# KiCad board adatv2.kicad_pcb (continued)
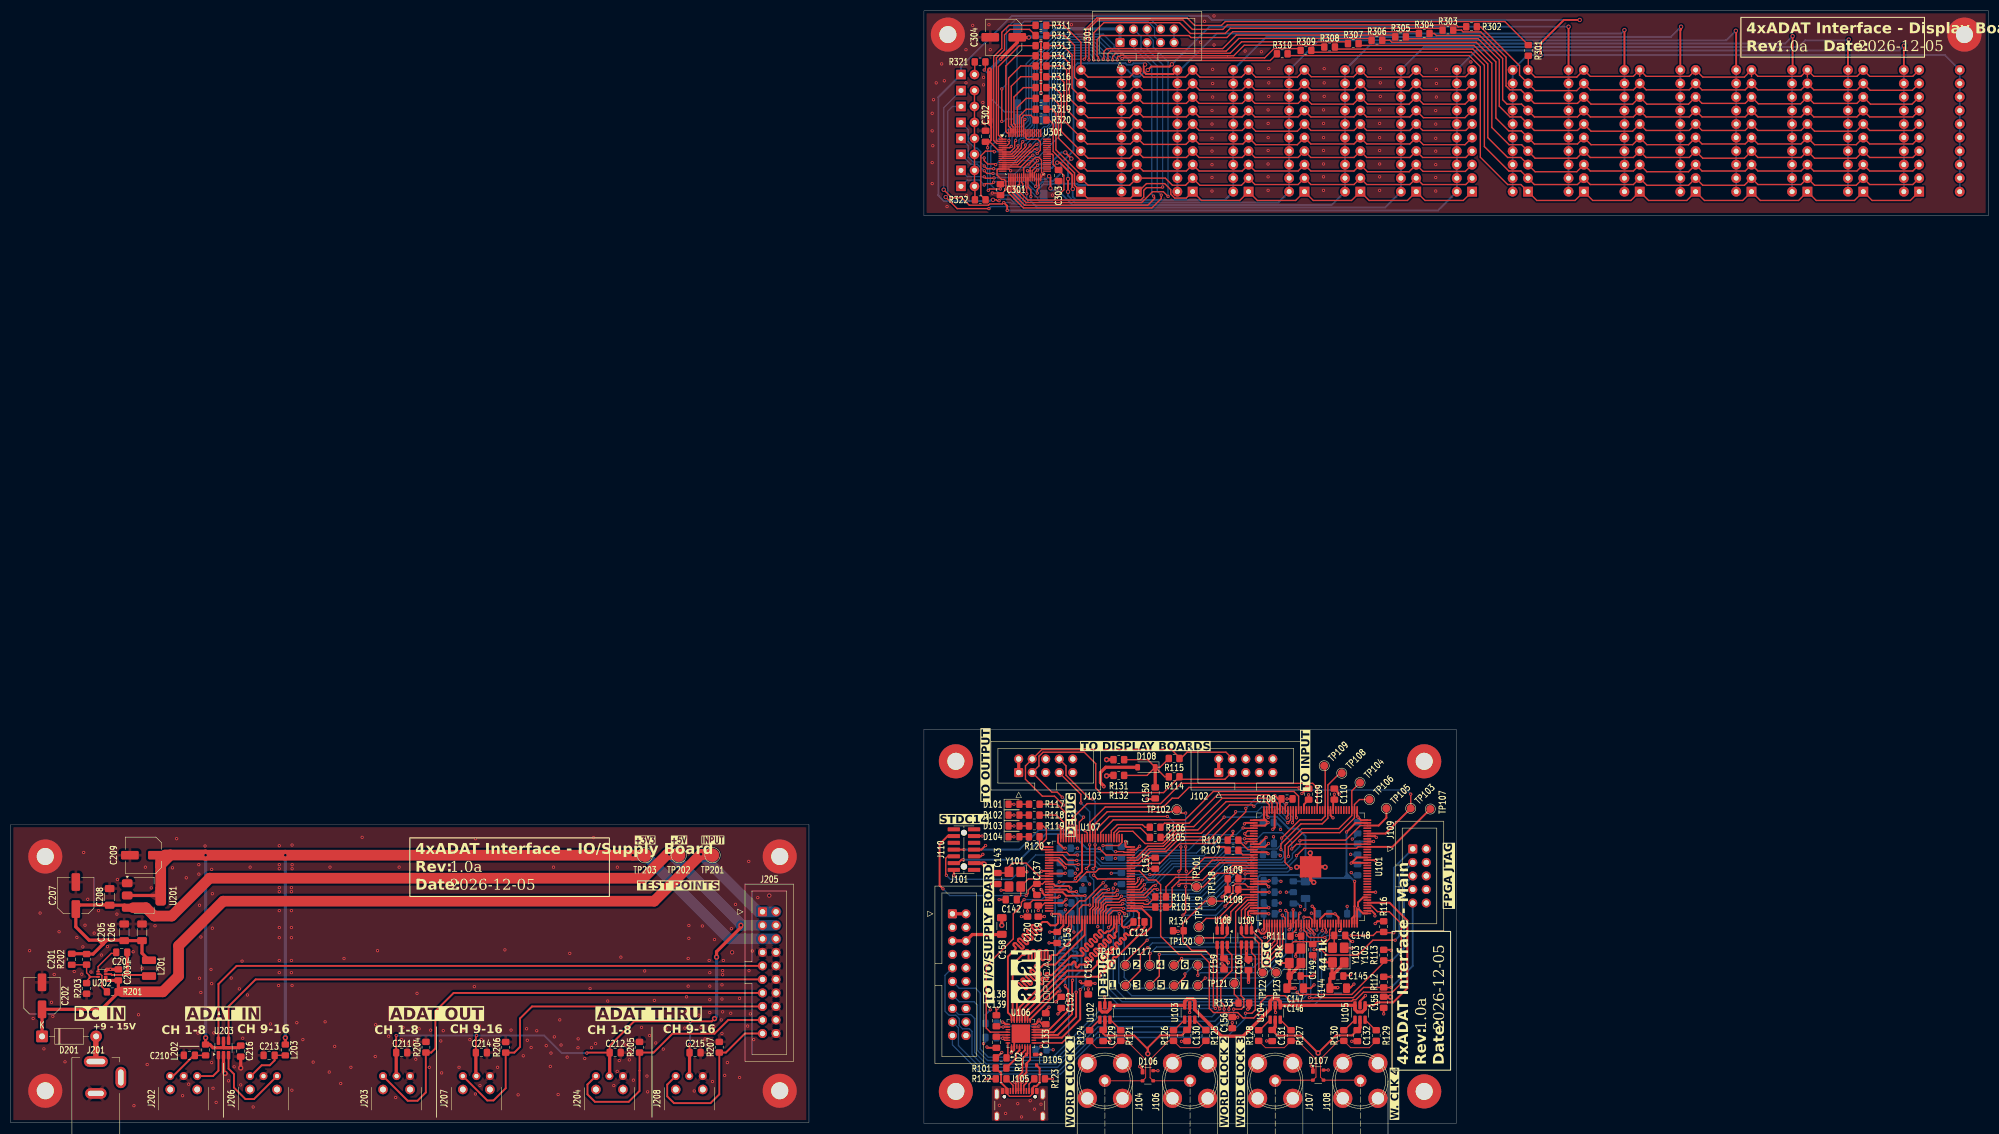
[diagram p0: board, top side]
## Library data of the parts
BAR301-BAR316 = -: Datasheet: https://docs.broadcom.com/docs/AV02-1798EN; Description: BAR GRAPH 10 segment block, Mix of high efficiency red, yellow and green; ki_fp_filters: HDSP?48*
C101-C160 C201 C203-C206 C208 C210-C216 C301-C303 = -: Description: Unpolarized capacitor; ki_fp_filters: C_*
C202 C207 C209 C304 = -: Description: Polarized capacitor; ki_fp_filters: CP_*
D101-D104 D301-D308 = -: Description: Light emitting diode; Sim.Pins: 1=K 2=A; ki_fp_filters: LED* LED_SMD:* LED_THT:*
D105-D107 = -: Datasheet: https://assets.nexperia.com/documents/data-sheet/PRTR5V0U2X.pdf; Description: Ultra low capacitance double rail-to-rail ESD protection diode, SOT-143; ki_fp_filters: SOT?143*
D108 = -: Description: Zener diode; ki_fp_filters: TO-???* *_Diode_* *SingleDiode* D_*
D201 = -: Datasheet: http://www.vishay.com/docs/88525/1n5817.pdf; Description: 40V 1A Schottky Barrier Rectifier Diode, DO-41; ki_fp_filters: D*DO?41*
H101-H104 H201-H204 H301 H302 = -: Description: Mounting Hole with connection; ki_fp_filters: MountingHole*Pad*
J104 J106-J108 = -: Description: coaxial connector (BNC, SMA, SMB, SMC, Cinch/RCA, LEMO, ...); ki_fp_filters: *BNC* *SMA* *SMB* *SMC* *Cinch* *LEMO* *UMRF* *MCX* *U.FL*
J105 = -: Datasheet: https://www.usb.org/sites/default/files/documents/usb_type-c.zip; Description: USB 2.0-only 14P Type-C Receptacle connector; ki_fp_filters: USB*C*Receptacle*
J109 = -: Description: Generic connector, double row, 02x05, odd/even pin numbering scheme (row 1 odd numbers, row 2 even numbers), script generated (kicad-library-utils/schlib/autogen/connector/); ki_fp_filters: Connector*:*_2x??_*
J110 = -: Description: Generic connector, double row, 02x07, odd/even pin numbering scheme (row 1 odd numbers, row 2 even numbers), script generated (kicad-library-utils/schlib/autogen/connector/); ki_fp_filters: Connector*:*_2x??_*
J201 = -: Description: DC Barrel Jack with an internal switch; ki_fp_filters: BarrelJack*
L101 L201-L203 = -: Description: Inductor; ki_fp_filters: Choke_* *Coil* Inductor_* L_*
R101-R134 R201-R207 R301-R322 = -: Description: Resistor; ki_fp_filters: R_*
SW301 SW302 = -: Description: Push button switch, generic, two pins
TP101-TP123 TP201-TP203 = -: Description: test point; ki_fp_filters: Pin* Test*
U101 = -: Datasheet: https://www.intel.com/content/www/us/en/docs/programmable/683794/current/fpga-device-datasheet.html
U102-U105 U108 U109 U203 = -: Datasheet: http://www.ti.com/lit/sg/scyt129e/scyt129e.pdf; Description: Dual Buffer, Schmitt Triggered, Low-Voltage CMOS; ki_fp_filters: SG-* SOT*
U106 = -: Datasheet: http://ww1.microchip.com/downloads/en/DeviceDoc/00001783C.pdf; Description: Hi-Speed USB Host, Device or OTG PHY with ULPI Interface; ki_fp_filters: *QFN*32*1EP*5x5mm*P0.5mm*
U107 = -: Datasheet: https://www.st.com/resource/en/datasheet/stm32f427vg.pdf; Description: STMicroelectronics Arm Cortex-M4 MCU, 1024KB flash, 256KB RAM, 180 MHz, 1.8-3.6V, 82 GPIO, LQFP100; ki_fp_filters: LQFP*14x14mm*P0.5mm*
U201 = -: Datasheet: http://www.advanced-monolithic.com/pdf/ds1117.pdf; Description: 1A Low Dropout regulator, positive, 3.3V fixed output, SOT-223; ki_fp_filters: SOT?223*TabPin2*
U301 = -: Datasheet: https://www.holtek.com/webapi/116711/HT1635C_Dv100.pdf
Y101 = -: Description: Four pin crystal, GND on pins 2 and 4; ki_fp_filters: Crystal*
Y102 Y103 = -: Datasheet: http://www.metatech.com.hk/product/fordahl/pdf/2002%20TCXO%20Page%2043-58.pdf; Description: Temperature compensated Crystal Clock Oscillator; ki_fp_filters: Oscillator*SMD*Fordahl*DFAS15*5.0x3.2mm*

## Footprints (pads in the part's own frame, mm; a bottom-side part is the same pattern mirrored in y, then rotated)
BNC_dosinconn_DOSIN-801-0051
  round 2.3 hole 1.3: 1(0,0)
  round 3.6 hole 2.3: 2(-3.3,3.3) 2(-3.3,-3.3) 2(3.3,3.3) 2(3.3,-3.3)
C_0805_2012Metric_Pad1.18x1.45mm_HandSolder
  rrect 1.175x1.45 smd: 1(-1.038,0) 2(1.038,0)
C_1206_3216Metric_Pad1.33x1.80mm_HandSolder
  rrect 1.325x1.8 smd: 1(-1.562,0) 2(1.562,0)
C_Elec_6.3x5.4
  rrect 3.325x1.6 smd: 1(-2.538,0) 2(2.538,0)
CUI PJ-002A
  rrect 4.5x2 hole 3.5x1: 1(0,-6.5)
  rrect 4x2 hole 3x1: 2(0,-0.5)
  rrect 2x4 hole 1x3: 3(-4.7,-3.5)
D_DO-41_SOD81_P10.16mm_Horizontal
  rrect 2.2x2.2 hole 1.1: 1(0,0)
  round 2.2 hole 1.1: 2(10.16,0)
D_SOD-123
  rrect 0.9x1.2 smd: 1(-1.65,0) 2(1.65,0)
EQFP-144-1EP_20x20mm_P0.5mm_EP4x4mm
  rrect 1.07x1.07 smd: (-1.33,1.33) (-1.33,0) (-1.33,-1.33) (0,1.33) (0,0) (0,-1.33) (1.33,1.33) (1.33,0) (1.33,-1.33)
  rrect 1.475x0.3 smd: 1(-10.662,8.75) 2(-10.662,8.25) 3(-10.662,7.75) 4(-10.662,7.25) 5(-10.662,6.75) 6(-10.662,6.25) 7(-10.662,5.75) 8(-10.662,5.25) 9(-10.662,4.75) 10(-10.662,4.25) 11(-10.662,3.75) 12(-10.662,3.25) 13(-10.662,2.75) 14(-10.662,2.25) 15(-10.662,1.75) 16(-10.662,1.25) 17(-10.662,0.75) 18(-10.662,0.25) 19(-10.662,-0.25) 20(-10.662,-0.75) 21(-10.662,-1.25) 22(-10.662,-1.75) 23(-10.662,-2.25) 24(-10.662,-2.75) 25(-10.662,-3.25) 26(-10.662,-3.75) 27(-10.662,-4.25) 28(-10.662,-4.75) 29(-10.662,-5.25) 30(-10.662,-5.75) 31(-10.662,-6.25) 32(-10.662,-6.75) 33(-10.662,-7.25) 34(-10.662,-7.75) 35(-10.662,-8.25) 36(-10.662,-8.75) 73(10.662,-8.75) 74(10.662,-8.25) 75(10.662,-7.75) 76(10.662,-7.25) 77(10.662,-6.75) 78(10.662,-6.25) 79(10.662,-5.75) 80(10.662,-5.25) 81(10.662,-4.75) 82(10.662,-4.25) 83(10.662,-3.75) 84(10.662,-3.25) 85(10.662,-2.75) 86(10.662,-2.25) 87(10.662,-1.75) 88(10.662,-1.25) 89(10.662,-0.75) 90(10.662,-0.25) 91(10.662,0.25) 92(10.662,0.75) 93(10.662,1.25) 94(10.662,1.75) 95(10.662,2.25) 96(10.662,2.75) 97(10.662,3.25) 98(10.662,3.75) 99(10.662,4.25) 100(10.662,4.75) 101(10.662,5.25) 102(10.662,5.75) 103(10.662,6.25) 104(10.662,6.75) 105(10.662,7.25) 106(10.662,7.75) 107(10.662,8.25) 108(10.662,8.75)
  rrect 0.3x1.475 smd: 37(-8.75,-10.662) 38(-8.25,-10.662) 39(-7.75,-10.662) 40(-7.25,-10.662) 41(-6.75,-10.662) 42(-6.25,-10.662) 43(-5.75,-10.662) 44(-5.25,-10.662) 45(-4.75,-10.662) 46(-4.25,-10.662) 47(-3.75,-10.662) 48(-3.25,-10.662) 49(-2.75,-10.662) 50(-2.25,-10.662) 51(-1.75,-10.662) 52(-1.25,-10.662) 53(-0.75,-10.662) 54(-0.25,-10.662) 55(0.25,-10.662) 56(0.75,-10.662) 57(1.25,-10.662) 58(1.75,-10.662) 59(2.25,-10.662) 60(2.75,-10.662) 61(3.25,-10.662) 62(3.75,-10.662) 63(4.25,-10.662) 64(4.75,-10.662) 65(5.25,-10.662) 66(5.75,-10.662) 67(6.25,-10.662) 68(6.75,-10.662) 69(7.25,-10.662) 70(7.75,-10.662) 71(8.25,-10.662) 72(8.75,-10.662) 109(8.75,10.662) 110(8.25,10.662) 111(7.75,10.662) 112(7.25,10.662) 113(6.75,10.662) 114(6.25,10.662) 115(5.75,10.662) 116(5.25,10.662) 117(4.75,10.662) 118(4.25,10.662) 119(3.75,10.662) 120(3.25,10.662) 121(2.75,10.662) 122(2.25,10.662) 123(1.75,10.662) 124(1.25,10.662) 125(0.75,10.662) 126(0.25,10.662) 127(-0.25,10.662) 128(-0.75,10.662) 129(-1.25,10.662) 130(-1.75,10.662) 131(-2.25,10.662) 132(-2.75,10.662) 133(-3.25,10.662) 134(-3.75,10.662) 135(-4.25,10.662) 136(-4.75,10.662) 137(-5.25,10.662) 138(-5.75,10.662) 139(-6.25,10.662) 140(-6.75,10.662) 141(-7.25,10.662) 142(-7.75,10.662) 143(-8.25,10.662) 144(-8.75,10.662)
  rect 4x4 smd: 145(0,0)
IDC-Header_2x05_P2.54mm_Vertical
  rrect 1.7x1.7 hole 1: 1(0,0)
  round 1.7 hole 1: 2(2.54,0) 3(0,-2.54) 4(2.54,-2.54) 5(0,-5.08) 6(2.54,-5.08) 7(0,-7.62) 8(2.54,-7.62) 9(0,-10.16) 10(2.54,-10.16)
IDC-Header_2x10_P2.54mm_Vertical
  rrect 1.7x1.7 hole 1: 1(0,0)
  round 1.7 hole 1: 2(2.54,0) 3(0,-2.54) 4(2.54,-2.54) 5(0,-5.08) 6(2.54,-5.08) 7(0,-7.62) 8(2.54,-7.62) 9(0,-10.16) 10(2.54,-10.16) 11(0,-12.7) 12(2.54,-12.7) 13(0,-15.24) 14(2.54,-15.24) 15(0,-17.78) 16(2.54,-17.78) 17(0,-20.32) 18(2.54,-20.32) 19(0,-22.86) 20(2.54,-22.86)
L_0805_2012Metric_Pad1.15x1.40mm_HandSolder
  rrect 1.15x1.4 smd: 1(-1.025,0) 2(1.025,0)
L_1210_3225Metric_Pad1.42x2.65mm_HandSolder
  rrect 1.425x2.65 smd: 1(-1.488,0) 2(1.488,0)
LED_10bar
  rect 1.85x1.85 hole 0.914: 1(-3.81,11.43)
  round 1.85 hole 0.914: 2(-3.81,8.89) 3(-3.81,6.35) 4(-3.81,3.81) 5(-3.81,1.27) 6(-3.81,-1.27) 7(-3.81,-3.81) 8(-3.81,-6.35) 9(-3.81,-8.89) 10(-3.81,-11.43) 11(3.81,-11.43) 12(3.81,-8.89) 13(3.81,-6.35) 14(3.81,-3.81) 15(3.81,-1.27) 16(3.81,1.27) 17(3.81,3.81) 18(3.81,6.35) 19(3.81,8.89) 20(3.81,11.43)
LED_0805_2012Metric_Pad1.15x1.40mm_HandSolder
  rrect 1.15x1.4 smd: 1(-1.025,0) 2(1.025,0)
LED_THT_W7.0mm_H2.00mm
  rect 1.8x1.8 hole 0.9: 1(-1.16,0.01)
  round 1.8 hole 0.9: 2(1.38,0.01)
LQFP-64_7x7mm_P0.4mm
  rrect 1.5x0.25 smd: 1(-4.175,3) 2(-4.175,2.6) 3(-4.175,2.2) 4(-4.175,1.8) 5(-4.175,1.4) 6(-4.175,1) 7(-4.175,0.6) 8(-4.175,0.2) 9(-4.175,-0.2) 10(-4.175,-0.6) 11(-4.175,-1) 12(-4.175,-1.4) 13(-4.175,-1.8) 14(-4.175,-2.2) 15(-4.175,-2.6) 16(-4.175,-3) 33(4.175,-3) 34(4.175,-2.6) 35(4.175,-2.2) 36(4.175,-1.8) 37(4.175,-1.4) 38(4.175,-1) 39(4.175,-0.6) 40(4.175,-0.2) 41(4.175,0.2) 42(4.175,0.6) 43(4.175,1) 44(4.175,1.4) 45(4.175,1.8) 46(4.175,2.2) 47(4.175,2.6) 48(4.175,3)
  rrect 0.25x1.5 smd: 17(-3,-4.175) 18(-2.6,-4.175) 19(-2.2,-4.175) 20(-1.8,-4.175) 21(-1.4,-4.175) 22(-1,-4.175) 23(-0.6,-4.175) 24(-0.2,-4.175) 25(0.2,-4.175) 26(0.6,-4.175) 27(1,-4.175) 28(1.4,-4.175) 29(1.8,-4.175) 30(2.2,-4.175) 31(2.6,-4.175) 32(3,-4.175) 49(3,4.175) 50(2.6,4.175) 51(2.2,4.175) 52(1.8,4.175) 53(1.4,4.175) 54(1,4.175) 55(0.6,4.175) 56(0.2,4.175) 57(-0.2,4.175) 58(-0.6,4.175) 59(-1,4.175) 60(-1.4,4.175) 61(-1.8,4.175) 62(-2.2,4.175) 63(-2.6,4.175) 64(-3,4.175)
LQFP-100_14x14mm_P0.5mm
  rrect 1.6x0.3 smd: 1(-7.675,6) 2(-7.675,5.5) 3(-7.675,5) 4(-7.675,4.5) 5(-7.675,4) 6(-7.675,3.5) 7(-7.675,3) 8(-7.675,2.5) 9(-7.675,2) 10(-7.675,1.5) 11(-7.675,1) 12(-7.675,0.5) 13(-7.675,0) 14(-7.675,-0.5) 15(-7.675,-1) 16(-7.675,-1.5) 17(-7.675,-2) 18(-7.675,-2.5) 19(-7.675,-3) 20(-7.675,-3.5) 21(-7.675,-4) 22(-7.675,-4.5) 23(-7.675,-5) 24(-7.675,-5.5) 25(-7.675,-6) 51(7.675,-6) 52(7.675,-5.5) 53(7.675,-5) 54(7.675,-4.5) 55(7.675,-4) 56(7.675,-3.5) 57(7.675,-3) 58(7.675,-2.5) 59(7.675,-2) 60(7.675,-1.5) 61(7.675,-1) 62(7.675,-0.5) 63(7.675,0) 64(7.675,0.5) 65(7.675,1) 66(7.675,1.5) 67(7.675,2) 68(7.675,2.5) 69(7.675,3) 70(7.675,3.5) 71(7.675,4) 72(7.675,4.5) 73(7.675,5) 74(7.675,5.5) 75(7.675,6)
  rrect 0.3x1.6 smd: 26(-6,-7.675) 27(-5.5,-7.675) 28(-5,-7.675) 29(-4.5,-7.675) 30(-4,-7.675) 31(-3.5,-7.675) 32(-3,-7.675) 33(-2.5,-7.675) 34(-2,-7.675) 35(-1.5,-7.675) 36(-1,-7.675) 37(-0.5,-7.675) 38(0,-7.675) 39(0.5,-7.675) 40(1,-7.675) 41(1.5,-7.675) 42(2,-7.675) 43(2.5,-7.675) 44(3,-7.675) 45(3.5,-7.675) 46(4,-7.675) 47(4.5,-7.675) 48(5,-7.675) 49(5.5,-7.675) 50(6,-7.675) 76(6,7.675) 77(5.5,7.675) 78(5,7.675) 79(4.5,7.675) 80(4,7.675) 81(3.5,7.675) 82(3,7.675) 83(2.5,7.675) 84(2,7.675) 85(1.5,7.675) 86(1,7.675) 87(0.5,7.675) 88(0,7.675) 89(-0.5,7.675) 90(-1,7.675) 91(-1.5,7.675) 92(-2,7.675) 93(-2.5,7.675) 94(-3,7.675) 95(-3.5,7.675) 96(-4,7.675) 97(-4.5,7.675) 98(-5,7.675) 99(-5.5,7.675) 100(-6,7.675)
MountingHole_3.2mm_M3_Pad
  round 6.4 hole 3.2: 1(0,0)
Oscillator_SMD_Abracon_ASE-4Pin_3.2x2.5mm_HandSoldering
  rrect 1.95x1.65 smd: 1(-1.375,-1.1) 2(1.375,-1.1) 3(1.375,1.1) 4(-1.375,1.1)
PLx237
  round 1.5 hole 0.8: 1(2.54,-4.26) 2(0,-4.26) 3(-2.54,-4.26)
  round 1.8 hole 1.1: 4(-2.54,-1.74) 5(2.54,-1.74)
QFN-32-1EP_5x5mm_P0.5mm_EP3.45x3.45mm
  rrect 0.93x0.93 smd: (-1.15,1.15) (-1.15,0) (-1.15,-1.15) (0,1.15) (0,0) (0,-1.15) (1.15,1.15) (1.15,0) (1.15,-1.15)
  rrect 0.875x0.25 smd: 1(-2.438,1.75) 2(-2.438,1.25) 3(-2.438,0.75) 4(-2.438,0.25) 5(-2.438,-0.25) 6(-2.438,-0.75) 7(-2.438,-1.25) 8(-2.438,-1.75) 17(2.438,-1.75) 18(2.438,-1.25) 19(2.438,-0.75) 20(2.438,-0.25) 21(2.438,0.25) 22(2.438,0.75) 23(2.438,1.25) 24(2.438,1.75)
  rrect 0.25x0.875 smd: 9(-1.75,-2.438) 10(-1.25,-2.438) 11(-0.75,-2.438) 12(-0.25,-2.438) 13(0.25,-2.438) 14(0.75,-2.438) 15(1.25,-2.438) 16(1.75,-2.438) 25(1.75,2.438) 26(1.25,2.438) 27(0.75,2.438) 28(0.25,2.438) 29(-0.25,2.438) 30(-0.75,2.438) 31(-1.25,2.438) 32(-1.75,2.438)
  rect 3.45x3.45 smd: 33(0,0)
R_0805_2012Metric_Pad1.20x1.40mm_HandSolder
  rrect 1.2x1.4 smd: 1(-1,0) 2(1,0)
Samtec-FTSH-107-01-L-DV-K
  round 1.2 hole 1.2 unplated: (-3.175,0)
  round 1.1 hole 1.1 unplated: (3.175,0)
  rrect 0.75x2.3 smd: 1(-3.81,-1.905) 2(-3.81,1.905) 3(-2.54,-1.905) 4(-2.54,1.905) 5(-1.27,-1.905) 6(-1.27,1.905) 7(0,-1.905) 8(0,1.905) 9(1.27,-1.905) 10(1.27,1.905) 11(2.54,-1.905) 12(2.54,1.905) 13(3.81,-1.905) 14(3.81,1.905)
SOT-23-6_Handsoldering
  rrect 1.56x0.65 smd: 1(-1.35,0.95) 2(-1.35,0) 3(-1.35,-0.95) 4(1.35,-0.95) 5(1.35,0) 6(1.35,0.95)
SOT-143
  rrect 0.7x1 smd: 1(-1,0.75)
  rrect 0.7x0.6 smd: 2(-1,-0.95) 3(1,-0.95) 4(1,0.95)
SOT-223-3_TabPin2
  rrect 2x1.5 smd: 1(-3.15,2.3) 2(-3.15,0) 3(-3.15,-2.3)
  rrect 2x3.8 smd: 2(3.15,0)
SOT-563
  rrect 0.675x0.35 smd: 1(-0.713,0.5) 2(-0.713,0) 3(-0.713,-0.5) 4(0.713,-0.5) 5(0.713,0) 6(0.713,0.5)
SW_Push_1P1T_NO_CK_PTS125Sx43SMTR
  rrect 2x1.5 smd: 1(-7.15,2.5) 1(7.15,2.5) 2(-7.15,-2.5) 2(7.15,-2.5)
TestPoint_Pad_D1.5mm
  round 1.5 smd: 1(0,0)
TestPoint_Pad_D2.5mm
  round 2.5 smd: 1(0,0)
USB_C_Receptacle_GCT_USB4105-xx-A_16P_TopMnt_Horizontal
  round 0.65 hole 0.65 unplated: (-2.89,2.605) (2.89,2.605)
  rrect 0.6x1.15 smd: A1(-3.2,3.68) A4(-2.4,3.68) A9(2.4,3.68) A12(3.2,3.68) B1(3.2,3.68) B4(2.4,3.68) B9(-2.4,3.68) B12(-3.2,3.68)
  rrect 0.3x1.15 smd: A5(-1.25,3.68) A6(-0.25,3.68) A7(0.25,3.68) A8(1.25,3.68) B5(1.75,3.68) B6(0.75,3.68) B7(-0.75,3.68) B8(-1.75,3.68)
  oval 1x2.1 hole 0.65x1.7: S1(-4.32,3.105) S1(4.32,3.105)
  oval 1x1.8 hole 0.65x1.4: S1(-4.32,-1.075) S1(4.32,-1.075)

## Nets
+3.3V: C101.1 C102.1 C103.1 C104.1 C105.1 C106.1 C107.1 C108.1 C109.1 C110.1 C111.1 C112.1 C113.1 C114.1 C115.1 C116.1 C117.1 C118.1 C119.1 C120.1 C121.1 C122.1 C123.1 C124.1 C125.1 C126.1 C127.1 C133.1 C134.1 C135.1 C136.1 C144.1 C145.1 C146.1 C147.1 C151.1 C152.1 C153.1 C154.1 C155.1 C156.1 C157.1 C158.1 C159.1 C160.1 D108.2 J101.5 J101.6 J109.4 J110.3 L101.1 R107.1 R108.1 R109.1 R110.1 R111.1 R112.1 R113.1 U101.1 U101.12 U101.22 U101.29 U101.36 U101.37 U101.43 U101.56 U101.58 U101.64 U101.72 U101.73 U101.82 U101.93 U101.102 U101.108 U101.109 U101.111 U101.118 U101.121 U101.132 U101.136 U101.142 U101.144 U106.6 U106.16 U106.25 U106.30 U106.31 U107.6 U107.11 U107.19 U107.21 U107.22 U107.28 U107.50 U107.75 U107.100 U108.5 U109.5 Y102.1 Y102.4 Y103.1 Y103.4
+3.3V_IO: C209.1 C216.1 J205.5 J205.6 L202.1 L203.1 TP203.1 U201.2 U203.5
+5V: C129.1 C130.1 C131.1 C132.1 D106.4 D107.4 J101.3 J101.4 J102.1 J102.2 J103.1 J103.2 J103.5 R131.1 R132.1 U102.5 U103.5 U104.5 U105.5
+5V_IO: C201.1 C205.1 C206.1 C207.1 C208.1 C211.1 C212.1 C214.1 C215.1 J203.2 J204.2 J205.3 J205.4 J207.2 J208.2 L201.2 R202.1 TP202.1 U201.3
+12V: J101.1 J101.2
+12V_IO: C202.1 C203.1 D201.1 J205.1 J205.2 R201.1 TP201.1 U202.1
GND: C101.2 C102.2 C103.2 C104.2 C105.2 C106.2 C107.2 C108.2 C109.2 C110.2 C111.2 C112.2 C113.2 C114.2 C115.2 C116.2 C117.2 C118.2 C119.2 C120.2 C121.2 C122.2 C123.2 C124.2 C125.2 C126.2 C127.2 C128.2 C129.2 C130.2 C131.2 C132.2 C133.2 C134.2 C135.2 C136.2 C137.2 C138.2 C139.2 C140.2 C141.2 C142.2 C143.2 C144.2 C145.2 C146.2 C147.2 C148.2 C149.2 C150.2 C151.2 C152.2 C153.2 C154.2 C155.2 C156.2 C157.2 C158.2 C159.2 C160.2 D101.1 D102.1 D103.1 D104.1 D105.1 D106.1 D107.1 H101.1 H102.1 H103.1 H104.1 J101.7 J101.8 J101.10 J101.12 J101.14 J101.16 J101.18 J101.20 J102.5 J102.6 J102.9 J102.10 J103.6 J103.9 J103.10 J104.2 J105.A1 J105.A12 J105.B1 J105.B12 J105.S1 J106.2 J107.2 J108.2 J109.2 J109.10 J110.2 J110.5 J110.7 J110.11 R102.1 R116.2 R122.2 R123.2 R133.1 R134.1 U101.11 U101.20 U101.30 U101.38 U101.45 U101.57 U101.66 U101.83 U101.96 U101.104 U101.110 U101.113 U101.115 U101.119 U101.133 U101.143 U101.145 U102.2 U103.2 U104.2 U105.2 U106.1 U106.2 U106.33 U107.10 U107.20 U107.27 U107.74 U107.94 U107.99 U108.2 U109.2 Y101.2 Y101.4 Y102.2 Y103.2
GND_IO: C202.2 C203.2 C205.2 C206.2 C207.2 C208.2 C209.2 C210.2 C211.2 C212.2 C213.2 C214.2 C215.2 C216.2 H201.1 H202.1 H203.1 H204.1 J201.2 J202.2 J203.3 J204.3 J205.7 J205.8 J205.10 J205.12 J205.14 J205.16 J205.18 J205.20 J206.2 J207.3 J208.3 R203.2 R204.2 R205.2 R206.2 R207.2 U201.1 U202.3 U203.2
/Display board/COM0: BAR301.11 BAR301.12 BAR301.13 BAR301.14 BAR301.15 BAR301.16 BAR301.17 BAR301.18 BAR301.19 BAR301.20 BAR309.11 BAR309.12 BAR309.13 BAR309.14 BAR309.15 BAR309.16 BAR309.17 BAR309.18 BAR309.19 BAR309.20 D301.1 U301.23
/Display board/COM1: BAR302.11 BAR302.12 BAR302.13 BAR302.14 BAR302.15 BAR302.16 BAR302.17 BAR302.18 BAR302.19 BAR302.20 BAR310.11 BAR310.12 BAR310.13 BAR310.14 BAR310.15 BAR310.16 BAR310.17 BAR310.18 BAR310.19 BAR310.20 D302.1 U301.25
/Display board/COM2: BAR303.11 BAR303.12 BAR303.13 BAR303.14 BAR303.15 BAR303.16 BAR303.17 BAR303.18 BAR303.19 BAR303.20 BAR311.11 BAR311.12 BAR311.13 BAR311.14 BAR311.15 BAR311.16 BAR311.17 BAR311.18 BAR311.19 BAR311.20 D303.1 U301.26
/Display board/COM3: BAR304.11 BAR304.12 BAR304.13 BAR304.14 BAR304.15 BAR304.16 BAR304.17 BAR304.18 BAR304.19 BAR304.20 BAR312.11 BAR312.12 BAR312.13 BAR312.14 BAR312.15 BAR312.16 BAR312.17 BAR312.18 BAR312.19 BAR312.20 D304.1 U301.27
/Display board/COM4: BAR305.11 BAR305.12 BAR305.13 BAR305.14 BAR305.15 BAR305.16 BAR305.17 BAR305.18 BAR305.19 BAR305.20 BAR313.11 BAR313.12 BAR313.13 BAR313.14 BAR313.15 BAR313.16 BAR313.17 BAR313.18 BAR313.19 BAR313.20 D305.1 U301.28
/Display board/COM5: BAR306.11 BAR306.12 BAR306.13 BAR306.14 BAR306.15 BAR306.16 BAR306.17 BAR306.18 BAR306.19 BAR306.20 BAR314.11 BAR314.12 BAR314.13 BAR314.14 BAR314.15 BAR314.16 BAR314.17 BAR314.18 BAR314.19 BAR314.20 D306.1 U301.29
/Display board/COM6: BAR307.11 BAR307.12 BAR307.13 BAR307.14 BAR307.15 BAR307.16 BAR307.17 BAR307.18 BAR307.19 BAR307.20 BAR315.11 BAR315.12 BAR315.13 BAR315.14 BAR315.15 BAR315.16 BAR315.17 BAR315.18 BAR315.19 BAR315.20 D307.1 U301.30
/Display board/COM7: BAR308.11 BAR308.12 BAR308.13 BAR308.14 BAR308.15 BAR308.16 BAR308.17 BAR308.18 BAR308.19 BAR308.20 BAR316.11 BAR316.12 BAR316.13 BAR316.14 BAR316.15 BAR316.16 BAR316.17 BAR316.18 BAR316.19 BAR316.20 D308.1 U301.31
/Display board/DISPLAY_VCC: C301.1 C302.1 C303.1 C304.1 J301.1 J301.2 U301.6 U301.22 U301.41
/Display board/LED0: BAR301.10 BAR302.10 BAR303.10 BAR304.10 BAR305.10 BAR306.10 BAR307.10 BAR308.10 R301.2
/Display board/LED1: BAR301.9 BAR302.9 BAR303.9 BAR304.9 BAR305.9 BAR306.9 BAR307.9 BAR308.9 R302.2
/Display board/LED2: BAR301.8 BAR302.8 BAR303.8 BAR304.8 BAR305.8 BAR306.8 BAR307.8 BAR308.8 R303.2
/Display board/LED3: BAR301.7 BAR302.7 BAR303.7 BAR304.7 BAR305.7 BAR306.7 BAR307.7 BAR308.7 R304.2
/Display board/LED4: BAR301.6 BAR302.6 BAR303.6 BAR304.6 BAR305.6 BAR306.6 BAR307.6 BAR308.6 R305.2
/Display board/LED5: BAR301.5 BAR302.5 BAR303.5 BAR304.5 BAR305.5 BAR306.5 BAR307.5 BAR308.5 R306.2
/Display board/LED6: BAR301.4 BAR302.4 BAR303.4 BAR304.4 BAR305.4 BAR306.4 BAR307.4 BAR308.4 R307.2
/Display board/LED7: BAR301.3 BAR302.3 BAR303.3 BAR304.3 BAR305.3 BAR306.3 BAR307.3 BAR308.3 R308.2
/Display board/LED8: BAR301.2 BAR302.2 BAR303.2 BAR304.2 BAR305.2 BAR306.2 BAR307.2 BAR308.2 R309.2
/Display board/LED9: BAR301.1 BAR302.1 BAR303.1 BAR304.1 BAR305.1 BAR306.1 BAR307.1 BAR308.1 R310.2
/Display board/LED10: BAR309.10 BAR310.10 BAR311.10 BAR312.10 BAR313.10 BAR314.10 BAR315.10 BAR316.10 R311.2
/Display board/LED11: BAR309.9 BAR310.9 BAR311.9 BAR312.9 BAR313.9 BAR314.9 BAR315.9 BAR316.9 R312.2
/Display board/LED12: BAR309.8 BAR310.8 BAR311.8 BAR312.8 BAR313.8 BAR314.8 BAR315.8 BAR316.8 R313.2
/Display board/LED13: BAR309.7 BAR310.7 BAR311.7 BAR312.7 BAR313.7 BAR314.7 BAR315.7 BAR316.7 R314.2
/Display board/LED14: BAR309.6 BAR310.6 BAR311.6 BAR312.6 BAR313.6 BAR314.6 BAR315.6 BAR316.6 R315.2
/Display board/LED15: BAR309.5 BAR310.5 BAR311.5 BAR312.5 BAR313.5 BAR314.5 BAR315.5 BAR316.5 R316.2
/Display board/LED16: BAR309.4 BAR310.4 BAR311.4 BAR312.4 BAR313.4 BAR314.4 BAR315.4 BAR316.4 R317.2
/Display board/LED17: BAR309.3 BAR310.3 BAR311.3 BAR312.3 BAR313.3 BAR314.3 BAR315.3 BAR316.3 R318.2
/Display board/LED18: BAR309.2 BAR310.2 BAR311.2 BAR312.2 BAR313.2 BAR314.2 BAR315.2 BAR316.2 R319.2
/Display board/LED19: BAR309.1 BAR310.1 BAR311.1 BAR312.1 BAR313.1 BAR314.1 BAR315.1 BAR316.1 R320.2
/Display board/LED20: D301.2 R321.2
/Display board/LED21: D302.2 D303.2 D304.2 D305.2 D306.2 D307.2 D308.2 R322.2
/Display board/SW_LB: J301.8 SW302.1
/Display board/SW_SR: J301.7 SW301.1
/FPGA and clock generators/CLK_44100: C148.1 U101.28 Y102.3
/FPGA and clock generators/CLK_48000: C149.1 U101.26 Y103.3
/FPGA and clock generators/DEBUG0: TP110.1 U101.3
/FPGA and clock generators/DEBUG1: TP111.1 U101.4
/FPGA and clock generators/DEBUG2: TP112.1 U101.5
/FPGA and clock generators/DEBUG3: TP113.1 U101.6
/FPGA and clock generators/DEBUG4: TP114.1 U101.7
/FPGA and clock generators/DEBUG5: TP115.1 U101.8
/FPGA and clock generators/DEBUG6: TP116.1 U101.9
/FPGA and clock generators/DEBUG7: TP117.1 U101.10
/IO board/IO_ADAT_IN1: J205.9 U203.6
/IO board/IO_ADAT_IN2: J205.11 U203.4
/IO board/IO_ADAT_OUT1: J203.1 J205.13 R204.1
/IO board/IO_ADAT_OUT2: J205.15 J207.1 R206.1
/IO board/IO_ADAT_THRU1: J204.1 J205.17 R205.1
/IO board/IO_ADAT_THRU2: J205.19 J208.1 R207.1
/IO board/POWER_IN: D201.2 J201.1
/IO board/SMPS_FEEDBACK: C201.2 R202.2 R203.1 U202.6
/IO board/SMPS_POWER_OUT: C204.1 L201.1 U202.2
/IO main/WORD_CLK_1_75_OHM: D106.2 J104.1 R121.2 R124.2
/IO main/WORD_CLK_2_75_OHM: D106.3 J106.1 R125.2 R126.2
/IO main/WORD_CLK_3_75_OHM: D107.2 J107.1 R127.2 R128.2
/IO main/WORD_CLK_4_75_OHM: D107.3 J108.1 R129.2 R130.2
/MCU and USB/MCO1: U106.28 U107.67
/MCU and USB/ULPI_CLK: U106.14 U107.30
/MCU and USB/ULPI_D0: U106.24 U107.26
/MCU and USB/ULPI_D1: U106.23 U107.35
/MCU and USB/ULPI_D2: U106.22 U107.36
/MCU and USB/ULPI_D3: U106.21 U107.47
/MCU and USB/ULPI_D4: U106.20 U107.48
/MCU and USB/ULPI_D5: U106.19 U107.51
/MCU and USB/ULPI_D6: U106.18 U107.52
/MCU and USB/ULPI_D7: U106.17 U107.91
/MCU and USB/ULPI_DIR: U106.12 U107.17
/MCU and USB/ULPI_NXT: U106.11 U107.18
/MCU and USB/ULPI_STP: U106.13 U107.15
/MCU and USB/USB_RESET: U106.9 U107.31
ADAT_IN1: J101.9 R133.2 TP121.1 U101.139
ADAT_IN1_USER0: U101.112 U107.3
ADAT_IN1_USER1: U101.116 U107.4
ADAT_IN1_USER2: U101.117 U107.5
ADAT_IN1_USER3: U101.24 U107.38
ADAT_IN2: J101.11 R134.2 TP118.1 U101.134
ADAT_IN2_USER0: U101.126 U107.39
ADAT_IN2_USER1: U101.127 U107.40
ADAT_IN2_USER2: U101.128 U107.41
ADAT_IN2_USER3: U101.129 U107.42
ADAT_OUT1: TP119.1 U101.137 U108.3
ADAT_OUT1_DRIVEN: J101.13 U108.4
ADAT_OUT1_USER0: U101.14 U107.43
ADAT_OUT1_USER1: U101.19 U107.44
ADAT_OUT1_USER2: U101.21 U107.45
ADAT_OUT1_USER3: U101.23 U107.46
ADAT_OUT2: TP120.1 U101.138 U108.1
ADAT_OUT2_DRIVEN: J101.15 U108.6
ADAT_OUT2_USER0: U101.100 U107.68
ADAT_OUT2_USER1: U101.99 U107.69
ADAT_OUT2_USER2: U101.98 U107.70
ADAT_OUT2_USER3: U101.97 U107.71
ADAT_THRU1: TP122.1 U101.140 U109.3
ADAT_THRU1_DRIVEN: J101.17 U109.4
ADAT_THRU2: TP123.1 U101.141 U109.1
ADAT_THRU2_DRIVEN: J101.19 U109.6
DISPLAY_GND: C301.2 C302.2 C303.2 C304.2 H301.1 H302.1 J301.9 J301.10 SW301.2 SW302.2 U301.15 U301.24 U301.32
FPGA_CONF_DONE: R108.2 TP102.1 U101.135 U107.87
FPGA_STATUS: R109.2 TP101.1 U101.131 U107.86
FPGA_TCK: J109.1 R116.1 U101.16
FPGA_TDI: J109.9 R112.2 U101.17
FPGA_TDO: J109.3 U101.18
FPGA_TMS: J109.5 R113.2 U101.15
GPIO_ADAT1_LOCKED: TP108.1 U101.84 U107.59
GPIO_ADAT2_LOCKED: TP109.1 U101.85 U107.60
GPIO_F_{s}_SEL: TP104.1 U101.75 U107.55
GPIO_I2S_RESYNC_REQ: TP106.1 U101.74 U107.57
GPIO_I2S_RUNNING: TP107.1 U101.62 U107.58
GPIO_LOOPBACK: U101.63 U107.61
GPIO_MCU_READY: TP103.1 U101.67 U107.88
GPIO_PLL_LOCKED: TP105.1 U101.70 U107.56
I2C_SCL: J102.3 J103.3 R114.1 U107.92
I2C_SDA: J102.4 J103.4 R115.1 U107.93
I2S_CH1-8_BCLK: U101.95 U107.84
I2S_CH1-8_LRCLK: U101.88 U107.96
I2S_CH1-8_MISO: R103.2 U101.125
I2S_CH1-8_MOSI: R104.2 U101.124
I2S_CH9-16_BCLK: U101.106 U107.78
I2S_CH9-16_LRCLK: U101.123 U107.29
I2S_CH9-16_MISO: R105.2 U101.105
I2S_CH9-16_MOSI: R106.2 U101.103
I2S_MCLK: U101.40 U107.66
MCU_DEBUG0: R117.2 U107.97
MCU_DEBUG1: R118.2 U107.98
MCU_DEBUG2: R119.2 U107.1
MCU_DEBUG3: R120.2 U107.2
MCU_RESET: C137.1 J110.12 U107.14
MCU_XTAL1: C143.1 U107.12 Y101.3
MCU_XTAL2: C142.1 U107.13 Y101.1
SW_LOOPBACK: J103.8 U107.63
SW_SAMPLERATE: J103.7 U107.34
SWD_SWCLK: J110.6 U107.76
SWD_SWDIO: J110.4 U107.72
SWD_SWO: J110.8 U107.89
USB_D+: D105.2 J105.A6 J105.B6 U106.7
USB_D-: D105.3 J105.A7 J105.B7 U106.8
USB_VBUS: D105.4 J105.A4 J105.A9 J105.B4 J105.B9 R101.2
WORD_CLK: U101.41 U102.1 U102.3 U103.1 U103.3 U104.1 U104.3 U105.1 U105.3
Net-(C138-Pad1): C138.1 U106.15 U106.26
Net-(D101-A): D101.2 R117.1
Net-(D102-A): D102.2 R118.1
Net-(D103-A): D103.2 R119.1
Net-(D104-A): D104.2 R120.1
Net-(D108-K): C150.1 D108.1 R114.2 R115.2 R131.2 R132.2
Net-(J105-CC1): J105.A5 R122.1
Net-(J105-CC2): J105.B5 R123.1
Net-(J202-VCC): C210.1 J202.1 L202.2
Net-(J202-VOUT): J202.3 U203.1
Net-(J206-VCC): C213.1 J206.1 L203.2
Net-(J206-VOUT): J206.3 U203.3
Net-(J301-A0): J301.5 U301.20
Net-(J301-A1): J301.6 U301.19
Net-(J301-SCL): J301.3 U301.18
Net-(J301-SDA): J301.4 U301.17
Net-(R121-Pad1): R121.1 U102.6
Net-(R124-Pad1): R124.1 U102.4
Net-(R125-Pad1): R125.1 U103.6
Net-(R126-Pad1): R126.1 U103.4
Net-(R127-Pad1): R127.1 U104.6
Net-(R128-Pad1): R128.1 U104.4
Net-(R129-Pad1): R129.1 U105.6
Net-(R130-Pad1): R130.1 U105.4
Net-(U101A-VCCA1): C128.1 L101.2 U101.2 U101.34 U101.35 U101.71 U101.107
Net-(U101B-CONFIG_SEL): R110.2 U101.120
Net-(U101B-JTAGEN): R111.2 U101.13
Net-(U101B-nCONFIG): R107.2 U101.122
Net-(U106-RBIAS): R102.2 U106.32
Net-(U106-VBUS): R101.1 U106.4
Net-(U106-VDDA1.8): C139.1 U106.29
Net-(U107-PB14): R103.1 U107.53
Net-(U107-PB15): R104.1 U107.54
Net-(U107-PC11): R105.1 U107.79
Net-(U107-PC12): R106.1 U107.80
Net-(U107-VCAP_1): C140.1 U107.49
Net-(U107-VCAP_2): C141.1 U107.73
Net-(U202-BST): C204.2 U202.4
Net-(U202-EN): R201.2 U202.5
Net-(U301-ROW0): R301.1 U301.14
Net-(U301-ROW1): R302.1 U301.13
Net-(U301-ROW2): R303.1 U301.12
Net-(U301-ROW3): R304.1 U301.11
Net-(U301-ROW4): R305.1 U301.10
Net-(U301-ROW5): R306.1 U301.9
Net-(U301-ROW6): R307.1 U301.8
Net-(U301-ROW7): R308.1 U301.7
Net-(U301-ROW8): R309.1 U301.5
Net-(U301-ROW9): R310.1 U301.4
Net-(U301-ROW10): R311.1 U301.3
Net-(U301-ROW11): R312.1 U301.2
Net-(U301-ROW12): R313.1 U301.1
Net-(U301-ROW13): R314.1 U301.64
Net-(U301-ROW14): R315.1 U301.63
Net-(U301-ROW15): R316.1 U301.62
Net-(U301-ROW16): R317.1 U301.61
Net-(U301-ROW17): R318.1 U301.60
Net-(U301-ROW18): R319.1 U301.59
Net-(U301-ROW19): R320.1 U301.58
Net-(U301-ROW20): R321.1 U301.57
Net-(U301-ROW21): R322.1 U301.56

Pads without a net: J102 7 8; J105 A8 B8; J109 6 7 8; J110 1 9 10 13 14; J201 3; J202 4 5; J203 4 5; J204 4 5; J206 4 5; J207 4 5; J208 4 5; U101 25 27 31 32 33 39 42 44 46 47 48 49 50 51 52 53 54 55 59 60 61 65 68 69 76 77 78 79 80 81 86 87 89 90 91 92 94 101 114 130; U106 3 5 10 27; U107 7 8 9 16 23 24 25 32 33 37 62 64 65 77 81 82 83 85 90 95; U301 16 21 33 34 35 36 37 38 39 40 42 43 44 45 46 47 48 49 50 51 52 53 54 55

## Via types
v1: diameter 0.6, hole 0.3, F.Cu (sig) to B.Cu (sig), 679 vias
v2: diameter 0.8, hole 0.5, F.Cu (sig) to B.Cu (sig), 26 vias
v3: diameter 1, hole 0.5, F.Cu (sig) to B.Cu (sig), 23 vias

## Routing (per net, layer and track width the routed paths; a pad name or vN(x,y) marks a point on that pad's centre or on a via; arc(x,y) is an arc through that point)
+3.3V: length 216.2
  F.Cu (sig) w0.25: v1(193.09,39.99) C119.1 193.83,40.9 194.33,41.41 U107.22 ; U107.21 192.06,41.91 C120.1 v1(191.06,39.86) ; v1(186.39,15.99) 186.78,15.6 U106.31
  F.Cu (sig) w0.35: U101.36 253,40.34 v1(253.16,40.5) ; C121.1 v1(209.98,36.84) 209.24,36.84 209.22,36.82 209.09,36.82 208.81,37.1 U107.50 ; v1(259.38,32.5) 259.29,32.59 R113.1 ; v1(236.46,45.58) 236.32,45.44 U101.132 ; U101.108 235.5,58.05 235.47,58.02 235.47,57.48 235.5,57.45 235.5,57.27 235.83,56.94 ; v1(209.47,52.94) 209.47,52.06 209.62,51.91 U107.75 ; U101.82 248.5,60.58 C110.1 v1(248.71,61.84) ; v1(256.08,52.94) 256.07,52.94 U101.64 ; U101.121 235.99,50.94 v1(236.27,50.66) ; C157.1 213.83,47.82 v1(213.79,47.87) ; v1(253.16,40.5) 253.16,41.49 254.1,42.44 U101.43 ; v1(253.16,40.5) 253.16,40.38 254.1,39.44 U101.37 ; U101.118 234.62,52.44 v1(235.89,53.71) ; U106.16 192.62,18.6 192.94,18.93 192.94,19.15 v1(193.22,19.42) 193.22,19.29 193.89,18.61 C133.1 ; v1(186.36,19.04) 186.48,18.91 186.64,18.91 186.76,18.79 186.76,18.76 186.91,18.6 U106.25 ; 242.46,35.29 v1(241.6,35.29) ; U107.19 194.26,42.91 193.89,43.28 193.89,43.64 v1(193.6,43.93) ; v1(236.4,39.36) 236.32,39.44 U101.144 ; U107.100 196.81,52.71 197.84,51.68 v1(198.15,51.68) ; v1(200.96,26.66) 201.09,26.53 201.09,26.4 201.2,26.3 C151.1 203.74,26.3 v1(203.76,26.28) ; U101.142 236.33,40.44 v1(236.4,40.5) ; R110.1 228.68,53.36 229.67,54.34 v1(229.67,54.85) ; v1(230.55,19.95) C156.1 ; v1(236.46,43.42) 236.27,43.42 236.25,43.44 U101.136 ; U106.30 186.5,16.1 v1(186.39,15.99) ; U106.6 190.56,13.72 v1(189.91,13.07) ; v1(247.06,30.47) 247.3,30.23 Y102.4 ; U101.109 235.83,56.94 ; 235.83,56.94 v1(236.27,56.5) 235.7,55.94 U101.111 ; Y103.4 238.83,30.11 v1(238.56,29.83) ; U101.22 246,38.33 247.02,39.36 v1(248.84,39.36) 249.5,38.7 U101.29 ; C152.1 197.3,23.76 v1(196.39,22.85) ; v1(198.15,46.98) 198.08,46.91 U107.11 ; v1(240.97,40.12) 241,40.09 U101.12 ; v1(227,51.93) 228.05,51.93 R107.1 ; v1(259.38,27.54) 259.37,27.53 R112.1 ; U101.56 251.94,48.94 v1(251.89,48.88) 252.94,49.94 U101.58 ; R109.1 228.68,43.94 R108.1 228.67,43.56 v1(227.63,42.53) ; v1(195.25,35.93) 195.27,35.95 C153.1 197.81,37.11 U107.28 ; U101.102 238.5,60.65 C108.1 238.17,60.95 v1(237.54,61.58) ; U101.93 243,59.9 C109.1 v1(243.89,61.71) ; U101.73 253,57.68 v1(253.16,57.52) 253.74,56.94 U101.72 ; v1(235.25,36.31) 235.36,36.31 235.5,36.45 U101.1 ; U107.6 196.76,49.41 v1(198.17,47.99) ; U107.22 197.68,41.41 198.27,42 198.27,42.05 v1(198.31,42.09)
  F.Cu (sig) w0.6: Y103.4 240.25,27.73 C147.1 ; v1(205.41,63.23) 205.41,63.36 204.77,63.99 204.77,65.9 205.76,66.88 D108.2 ; C155.1 259.21,23.78 v3(259.26,23.74) ; U108.5 227.65,31.34 C159.1 228.77,30.21 228.77,30.19 v1(228.78,30.18) ; 232.59,30.23 232.2,30.61 v1(232.2,32.37) U109.5 ; 248.36,27.78 248.33,27.76 C145.1 247.88,27.21 247.88,25.54 247.83,25.49 249.33,25.49 v1(249.35,25.51) ; 248.36,27.78 248.29,27.84 248.29,30.21 ; 248.36,27.78 248.36,27.82 250.49,29.96 250.49,30.21 ; C147.1 240.31,25.91 C146.1 v1(241.35,25.39) ; C147.1 240.31,27.78 242.45,29.91 Y103.1 ; J101.5 J101.6 180.69,35.47 186.1,35.47 ; J110.3 182.68,48.88 182.87,48.69 v3(182.93,48.69)
  B.Cu (sig) w0.35: v1(198.31,42.09) 198.27,42.05 198.27,42 197.66,41.39 C117.1 ; v1(236.46,43.42) C103.1 ; v1(248.84,39.36) C115.1 ; C107.1 v1(236.27,56.5) ; v1(253.16,40.5) 253.16,39.4 C114.1 ; C102.1 235.51,41.39 v1(236.4,40.5) ; v1(240.97,40.12) 240.97,39.27 C116.1 ; v1(198.17,47.99) 198.13,47.99 C124.1 ; v1(193.6,14.46) 192.96,13.83 C134.1 ; v1(235.25,36.31) 235.51,36.56 235.51,39.27 C101.1 v1(236.4,39.36) ; C122.1 209.47,52.71 v1(209.47,52.94) ; v1(204.26,36.94) C127.1 ; C106.1 235.3,53.12 v1(235.89,53.71) ; v1(236.46,45.58) C104.1 ; v1(251.89,48.88) 252.87,48.88 C113.1 ; C118.1 197.77,39.36 198.17,39.76 v1(198.17,40.12) ; C105.1 235.42,50.66 v1(236.27,50.66) ; C136.1 186.1,18.78 v1(186.36,19.04) ; C135.1 185.36,15.99 v1(186.39,15.99) ; v1(206.81,46.98) 206.85,47.02 C126.1 ; v1(198.15,51.68) C123.1 ; L101.1 239.71,43.41 v1(239.7,43.42) ; 201.47,43.88 v1(201.47,44.82) ; C112.1 253.46,52.94 v1(256.08,52.94) ; v1(198.15,46.98) C125.1 ; v1(253.16,57.52) 253.16,56.63 C111.1
